# Altium PCB Test Gate.PcbDoc
Units mm, origin at the board's own origin, x right, y up, seen from the top; angles counter-clockwise.
Board outline 104.5 x 115 mm, 2 copper layers (Top Layer, Bottom Layer); 36 components, 46 nets, 161 pads, 10 vias.
Unrouted connection lines stored in the file: 5.
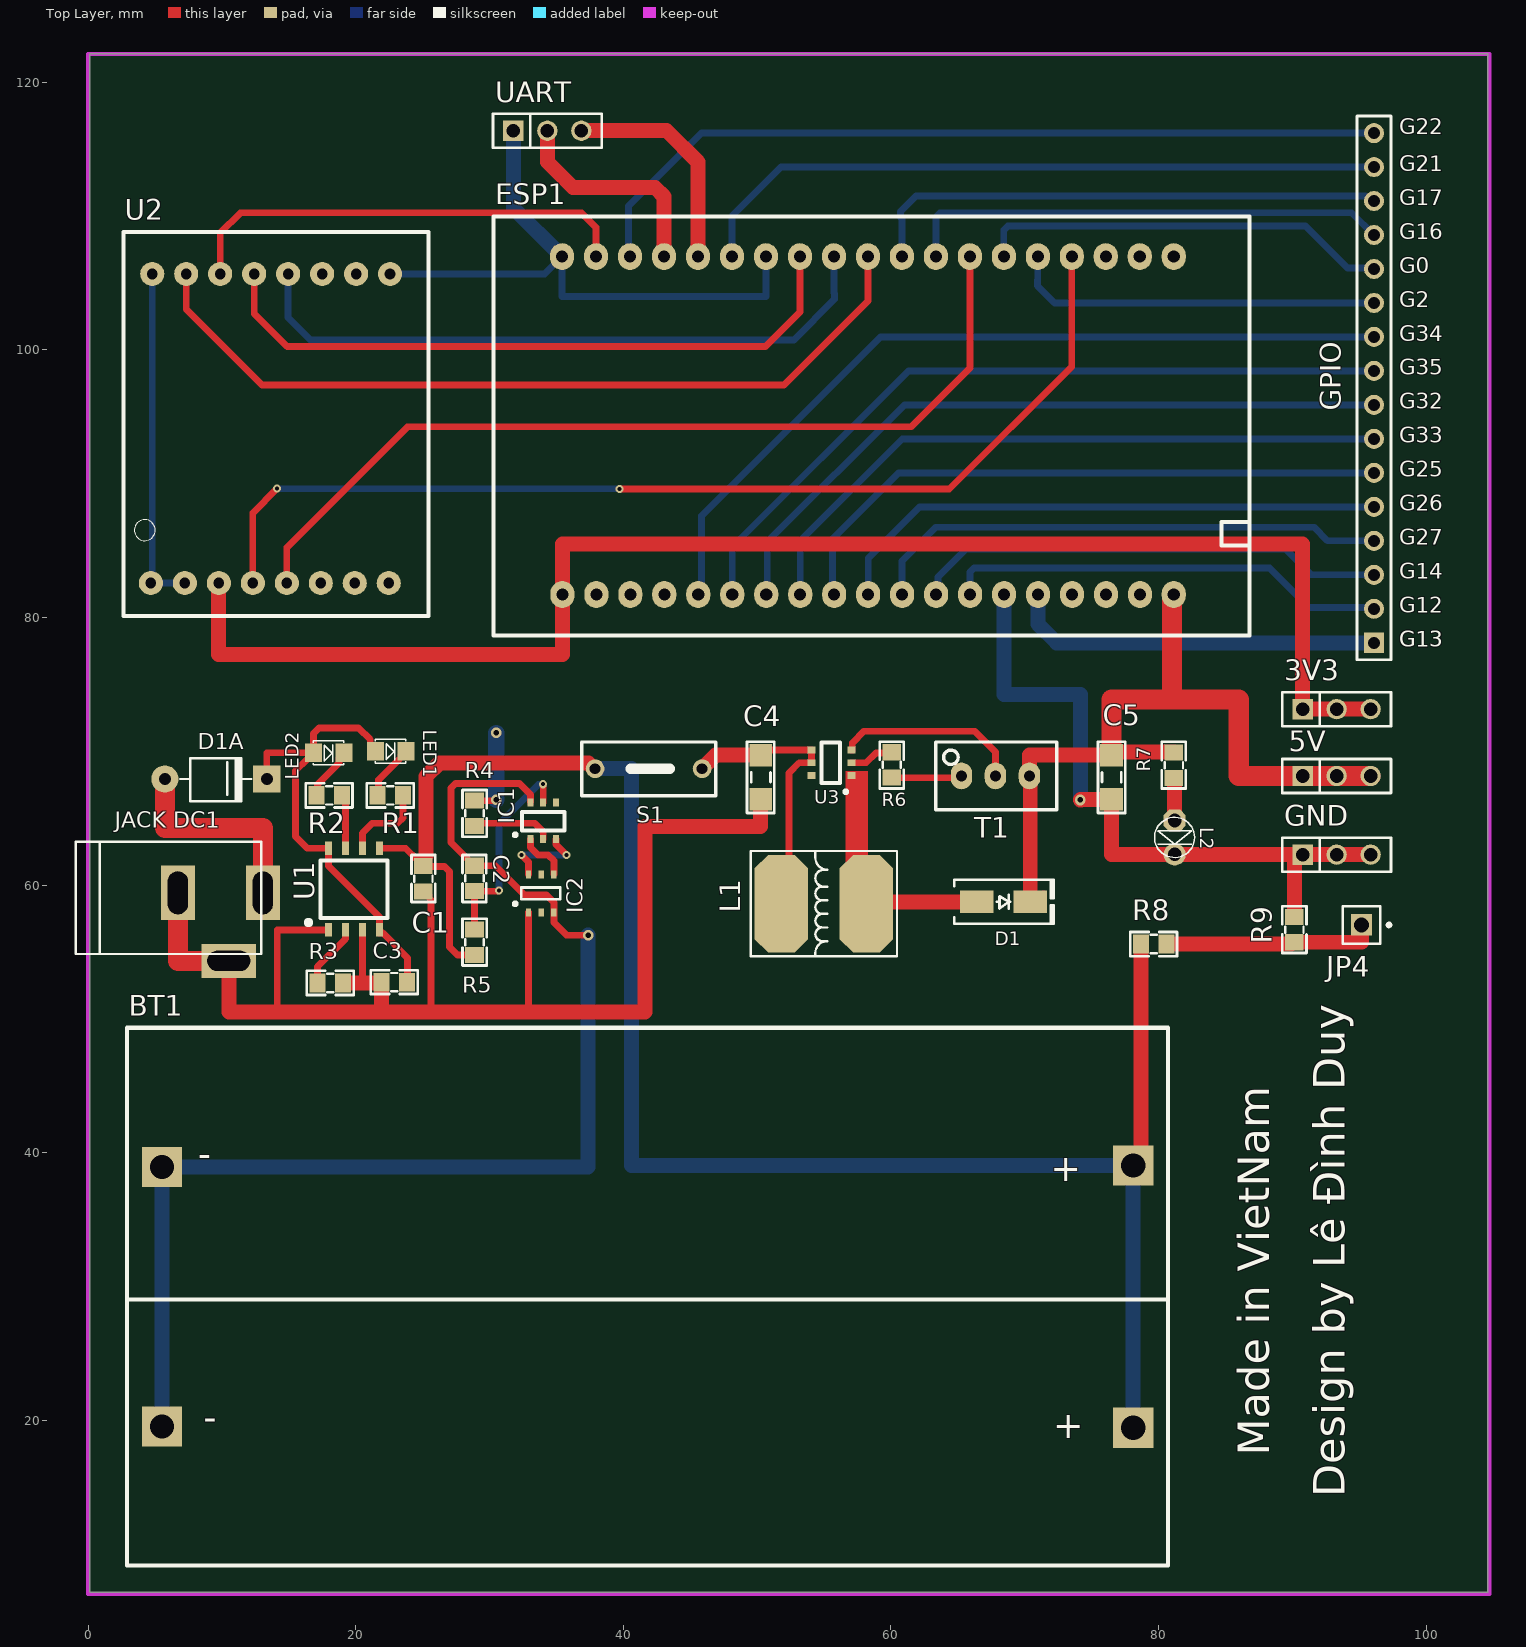
[diagram p0: Top Layer view]
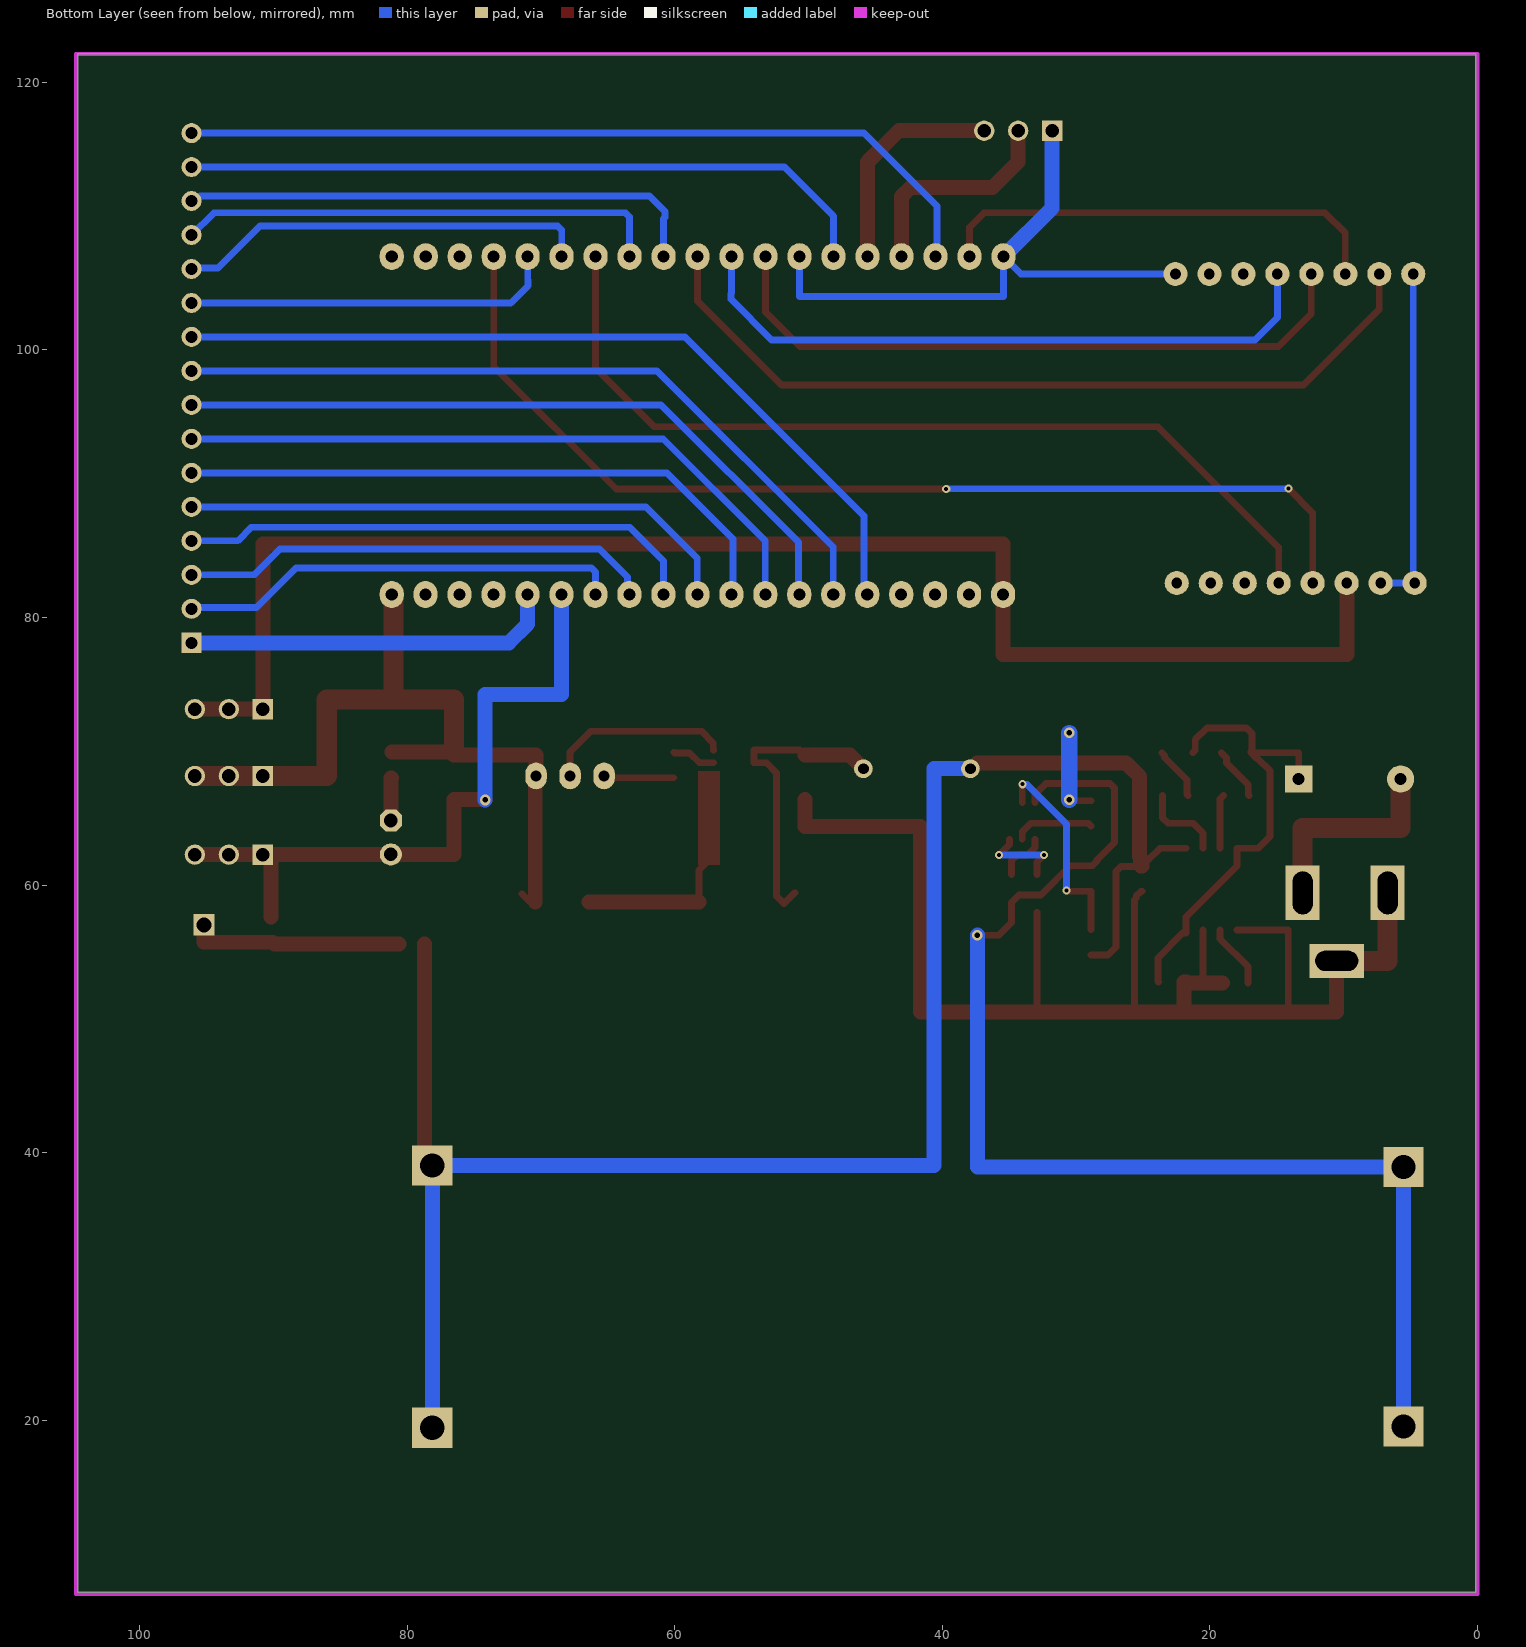
[diagram p1: Bottom Layer view, seen from below]

## Layer stack, top to bottom
Top Solder: solder mask 0.0102, Solder Resist, Dk 3.5
Top Layer: signal copper 0.0356
Dielectric 1: dielectric 0.32, FR-4, Dk 4.8
Bottom Layer: signal copper 0.0356
Bottom Solder: solder mask 0.0102, Solder Resist, Dk 3.5

## Board outline
0.125,7.125 104.625,7.125 104.625,122.125 0.125,122.125

## Design rules (kind name [scope] priority, off if disabled: settings)
Clearance [All] p1: gap=0.3 ignorepadtopadclearanceinfootprint=FALSE
PlaneClearance [All] p1: clearance=0.6
PlaneConnect [All] p1: planeconnectstyle=Direct reliefexpansion=0.508 reliefentries=4 reliefconductorwidth=0.254 reliefairgap=0.254
PolygonConnect [All] p1: connectstyle=Direct reliefconductorwidth=0.254 reliefentries=4 polygonreliefangle="90 Angle" airgapwidth=0.254
RoutingVias [All] p1: holewidth=0.3 width=0.6 viastyle="Through Hole" minholewidth=0.3 minwidth=0.6 maxholewidth=0.5 maxwidth=1
SolderMaskExpansion [All] p1: expansion=0.102 istentingtop=FALSE
Width [All] p1: maxlimit=1.5 minlimit=0.51 preferedwidth=1.12 minimp=50.000000 maximp=50.000000 favimp=50.000000
28 further rules are at their usual default settings.

## Components (designator, comment, footprint, x,y, rotation, side; value= is the part's Value field where it differs from the comment)
3V3 "JP 1x3 2.54" "JP 1x3 CT" 90.777,73.148 r0 top (schematic designator JP2)
5V "JP 1x3 2.54" "JP 1x3 CT" 90.777,68.154 r0 top (schematic designator JP1)
BT1 "Pin 18650 x2" "De Pin 18650 x2" 46.211,35.733 r180 top
C1 "10uF" "tu 0805" 25.054,60.487 r270 top
C2 "100nF" "tu 0805" 28.865,60.487 r90 top
C3 "100nF" "tu 0805" 22.868,52.744 r0 top
C4 "22uF" "tu 1206" 50.264,68.055 r270 top
C5 "22uF" "tu 1206" 76.492,68.055 r270 top
D1 "SS34" "DIODE SMA" 68.415,58.749 r0 top
D1A "1n4007" "DIODE 1A" 4.46,67.925 r180 top
ESP1 "Devkit" "ESP32 DEVKIT 38Pin" 60,94.375 r90 top
GND "JP 1x3 2.54" "JP 1x3 CT" 90.777,62.275 r0 top (schematic designator JP3)
GPIO "Header 16" HDR1X16 96.107,78.108 r90 top (schematic designator P1)
IC1 "DW01A" DW01A 34.008,64.801 r90 top
IC2 "FS8205" FS8205 33.858,59.372 r90 top
"JACK DC1" "JACK DC 5.5" "JACK DC 5.5" 9.875,56.875 r0 top value="Jac DC"
JP4 "JP 1x1 2.54" "JP 1x1 DT" 95.177,57.019 r270 top
L1 "22uH" "Cuon Cam 7x7x5" 51.181,58.607 r270 top
L2 "LED 3mm" LED-3MM-GREEN 81.205,64.827 r270 top
LED1 "LED SMD" SM-LED-0805-Red 21.464,70 r0 top
LED2 "LED SMD" SM-LED-0805-Red 16.832,69.882 r0 top
R1 "1K" "tro smd 0805" 22.571,66.763 r0 top
R2 "1K" "tro smd 0805" 18.005,66.763 r0 top
R3 "1.2K" "tro smd 0805" 18.09,52.744 r0 top
R4 "1K" "tro smd 0805" 28.814,65.352 r90 top
R5 "100R" "tro smd 0805" 28.941,55.731 r270 top
R6 "2.2K" "tro smd 0805" 60.002,68.972 r90 top
R7 "330R" "tro smd 0805" 81.205,68.972 r270 top
R8 "27K" "tro smd 0805" 79.64,55.646 r0 top
R9 "100K" "tro smd 0805" 90.095,56.669 r90 top
S1 "SWBIT 1P" "SWBIT 1P DIP" 37.886,68.694 r0 top
T1 "100K" "Bien Tro Vi Chinh Dung" 67.812,68.154 r0 top
U1 "TP4056" TP4056 19.868,59.699 r90 top
U2 "Module" "LoRa Ra 02 Module 2" 13.625,94.125 r90 top
U3 "MT3608" MT3608 58.028,70.541 r180 top
UART "JP 1x3 2.54" "JP 1x3 CT" 31.78,116.383 r0 top (schematic designator JP5)

## Footprints (in the part's own frame and the unit in brackets; to place one, negate y for a bottom-side part, rotate by r counter-clockwise, add the part's x,y. Pads: shape width x height; smd on the part's side, far side on the other; paste and mask are expansions set on the pad)
"Bien Tro Vi Chinh Dung" [mm] "Bien tro vi chinh"
  oval 1.6x2 hole 0.8: 1(-2.54,0) 2(0,0) 3(2.54,0)
  silkscreen extent -4.47,-2.54 4.6,2.54, body extent -4.54,-2.4 4.66,2.4, height 12.02
"Cuon Cam 7x7x5" [mm] "Cuon Cam 7x7x5"
  oct 7.3x4 smd: 1(0,0.635) 2(0,6.985)
  silkscreen extent -3.94,-1.65 3.94,9.27, body extent -3.5,0.07 3.5,7.8, height 5.02
"De Pin 18650 x2" [mm]
  rect 3x3 hole 1.8: 1(-31.9,-3.3) 1(-31.9,16.3) 2(40.7,-3.2) 2(40.7,16.2)
  silkscreen extent -34.5,-13.6 43.3,26.6, body extent -34.5,-13.6 43.3,26.6, height 21
"DIODE 1A" [mil] "Diode 1A"
  round 80 hole 35: 1(-50,0)
  rect 80x80 hole 35: 2(-350,0)
  silkscreen extent -305,-61 -95,65, body extent -366,-61 -34,65, height 122
"DIODE SMA" [mm] "SMA"
  rect 2.5x1.7 smd: 1(-2,0) 2(2,0)
  silkscreen extent -3.68,-1.65 3.75,1.65, body extent -2.6,-1.37 2.6,1.37, height 2.4
DW01A [mm]
  rect 0.6x0.45 smd: 1(-1.375,0.95) 2(-1.375,0) 3(-1.375,-0.95) 4(1.375,-0.95) 5(1.375,0) 6(1.375,0.95)
  silkscreen extent -1.15,-1.58 0.67,2.19, body extent -1.47,-1.52 1.53,1.52, height 1.4
"ESP32 DEVKIT 38Pin" [mm]
  oval 2x1.8 hole 0.9: 1(-12.66,24.56) 2(-12.66,22.02) 3(-12.66,19.48) 4(-12.66,16.94) 5(-12.66,14.4) 6(-12.66,11.86) 7(-12.66,9.32) 8(-12.66,6.78) 9(-12.66,4.24) 10(-12.66,1.7) 11(-12.66,-0.84) 12(-12.66,-3.38) 13(-12.66,-5.92) 14(-12.66,-8.46) 15(-12.66,-11) 16(-12.66,-13.54) 17(-12.66,-16.08) 18(-12.66,-18.62) 19(-12.66,-21.14) 20(12.6,-21.14) 21(12.6,-18.6) 22(12.6,-16.06) 23(12.6,-13.52) 24(12.6,-10.98) 25(12.6,-8.44) 26(12.6,-5.9) 27(12.6,-3.36) 28(12.6,-0.82) 29(12.6,1.72) 30(12.6,4.26) 31(12.6,6.8) 32(12.6,9.34) 33(12.6,11.88) 34(12.6,14.42) 35(12.6,16.96) 36(12.6,19.5) 37(12.6,22.04) 38(12.6,24.58)
  silkscreen extent -15.72,-26.79 15.6,29.69, body extent -14.05,-26.39 13.89,29.19, height 9.6
FS8205 [mm]
  rect 0.6x0.4 smd: 1(-1.41,0.95) 2(-1.41,0) 3(-1.41,-0.95) 4(1.41,-0.95) 5(1.41,0) 6(1.41,0.95)
  silkscreen extent -0.88,-1.42 0.45,2.04, body extent -1.48,-1.5 1.52,1.5, height 1.3
HDR1X16 [mm] "Connector; Header; 16 Position"
  rect 1.5x1.5 hole 0.9: 1(0,0)
  round 1.5 hole 0.9: 2(2.54,0) 3(5.08,0) 4(7.62,0) 5(10.16,0) 6(12.7,0) 7(15.24,0) 8(17.78,0) 9(20.32,0) 10(22.86,0) 11(25.4,0) 12(27.94,0) 13(30.48,0) 14(33.02,0) 15(35.56,0) 16(38.1,0)
  silkscreen extent -1.27,-1.27 39.37,1.27, body extent -1.41,-1.26 39.48,1.24, height 7.92
"JACK DC 5.5" [mm] "Jac DC input"
  rect 2.54x4.064 hole 1.5 slot 3.2 at 90 deg: 1(3.175,2.54) 2(-3.175,2.54)
  rect 4.064x2.54 hole 1.5 slot 3.2 at 0 deg: 3(0.635,-2.54)
  silkscreen extent -10.79,-2.03 3.05,6.35, body extent -10.42,-2.67 3.4,6.84, height 11.02
"JP 1x1 DT" [mm] "1pins, 1 row, straight, gold plating"
  rect 1.6x1.6 hole 1.1: 1(0,0)
  silkscreen extent -1.4,-1.4 1.4,2.18, body extent -1.27,-1.27 1.27,1.27, height 8.54
"JP 1x3 CT" [mm]
  rect 1.52x1.52 hole 1.02: 1(0,0)
  round 1.52 hole 1.02: 2(2.54,0) 3(5.08,0)
  silkscreen extent -1.52,-1.27 6.6,1.27, body extent -1.52,-1.25 6.6,1.25, height 8.51
LED-3MM-GREEN [mil]
  oct 65x65 hole 40: 1(0,0)
  round 65 hole 40: 2(100,0)
  silkscreen extent -9,-59 109,59, body extent -15,-70 112,60, height 182
"LoRa Ra 02 Module 2" [mm]
  round 1.8 hole 0.8: 1(-11.55,8.94) 2(-11.55,6.4) 3(-11.55,3.86) 4(-11.55,1.32) 5(-11.55,-1.22) 6(-11.55,-3.76) 7(-11.55,-6.3) 8(-11.55,-8.84) 9(11.55,-8.94) 10(11.55,-6.4) 11(11.55,-3.86) 12(11.55,-1.32) 13(11.55,1.22) 14(11.55,3.76) 15(11.55,6.3) 16(11.55,8.84)
  silkscreen extent -14,-11.8 14.7,11, body extent -12.82,-10.22 12.79,10.1, height 7.4
MT3608 [mm]
  rect 0.6x0.5 smd: 1(0.96,2.35) 2(0.96,1.4) 3(0.96,0.45) 4(3.96,0.45) 5(3.96,1.4) 6(3.96,2.35)
  silkscreen extent 1.31,-0.13 3.21,3.67, body extent 0.89,-0.09 3.89,2.91, height 1.3
SM-LED-0805-Red [mil]
  rect 50x55 smd: 1(0,0) 2(90,0)
  silkscreen extent 0,-35 90,35, body extent 5,-25 85,25, height 43
"SWBIT 1P DIP" [mm]
  round 1.4 hole 0.8: 1(0,0) 2(8,0)
  silkscreen extent -0.99,-2.01 9.02,2, body extent -0.98,-2 9.02,2, height 8.86
TP4056 [mm]
  rect 1x0.5 smd: 1(-3.05,1.905) 2(-3.05,0.635) 3(-3.05,-0.635) 4(-3.05,-1.905) 5(3.05,-1.905) 6(3.05,-0.635) 7(3.05,0.635) 8(3.05,1.905)
  silkscreen extent -2.6,-2.49 2.15,3.5, body extent -3,-2.47 3,2.43, height 1.75
"tro smd 0805" [mm]
  rect 1.2x1.4 smd: 1(-0.946,-0.061) 2(0.954,-0.061)
  silkscreen extent -1.75,-0.97 1.75,0.84, body extent -1.56,-0.76 1.44,0.64, height 0.53
"tu 0805" [mm] "Compoment SMD 80x50mil"
  rect 1.2x1.4 smd: 1(-0.946,-0.003) 2(0.954,-0.003)
  silkscreen extent -1.75,-0.89 1.75,0.89, body extent -1.01,-0.64 1.01,0.63, height 0.61
"tu 1206" [mm]
  rect 1.7x1.7 smd: 1(-1.65,0) 2(1.65,0)
  silkscreen extent -2.67,-1.02 2.67,1.02, body extent -1.57,-0.8 1.63,0.8, height 0.94

## Part data
3V3 5V GND UART: library part "JP 1x3 2.54 Cai Thang", "Cắm", Chung_Loai=Cắm, Don_Vi=Con, Ma_Hang=MH004006, Ten_Linh_Kien="Jump Đơn Cái 2.54MM 1x20P Thẳng"
BT1: library part "De Pin 18650 x2"
C1 C2 C3: library part "Tu 0805 104 50V 10%", "Dán", Chung_Loai=Dán, Don_Vi=Con, Ma_Hang=MH004551, So_Chan=2, Ten_Linh_Kien="Tụ 0805 104-100nF 10% 50V"
C4 C5: library part "Tu 1206 226 16V 20%", "Dán", Chung_Loai=Dán, Don_Vi=Con, Ma_Hang=MH004546, So_Chan=2, Ten_Linh_Kien="Tụ 1206 226-22uF 20% 16V"
D1: library part "Diode SS34 ( 1N5822 )", "Dán", Chung_Loai=Dán, Don_Vi=Con, Ma_Hang=MH002104, Ten_Linh_Kien="Diode SS34 3A 40V SMA ( 1N5822 SS34A)"
D1A: library part "Diode 1N4007", "Cắm", Chung_Loai=Cắm, Don_Vi=Con, Ma_Hang=MH001063, Ten_Linh_Kien="Diode 1N4007 1A (DIP)"
ESP1: library part "ESP32 DEV KIT", "Board"
GPIO: "Header, 16-Pin", LatestRevisionDate=17-Jul-2002, LatestRevisionNote="Re-released for DXP Platform.", Publisher="Altium Limited"
IC2: "SOT23-6"
JP4: library part "JP 1x1 2.54 Duc Thang", "Cắm", Chung_Loai=Cắm, Don_Vi=Con, Ma_Hang=MH000903, Ten_Linh_Kien="Jump Đơn Đực 2.54MM 1x40P Thẳng 11MM"
L1: library part "CUON CAM 47uH SMD", "Dán", Chung_Loai=Dán, Don_Vi=Con, Ma_Hang=MH004211, Ten_Linh_Kien="Cuộn Cảm 47uH 7x7x4MM CD74R"
L2: library part "LED 3mm Xanh La", "Cắm", Chung_Loai=Cắm, Don_Vi=Con, Ma_Hang=MH001054, Ten_Linh_Kien="Led 3MM Phủ Xanh (10c)"
LED1 LED2: library part "LED SMD 0805"
R1 R2 R3 R4 R5 R6 R7 R8 R9: library part "Tro 0805 5% 1k", "Dán", Chung_Loai=Dán, Don_Vi=Con, Ma_Hang=MH005234, So_Chan=2, Ten_Linh_Kien="Trở 0805 5% 1k"
T1: library part "Bien Tro Tinh Chinh 10K Dung", "Cắm", Chung_Loai=Cắm, Don_Vi=Con, Ma_Hang=MH003232, Ten_Linh_Kien="Biến Trở VR 103-10K 3296W"
U2: library part "LoRa Ra 02 Module 2"
U3: "SMD"

## Via types
v1: diameter 0.6, hole 0.3, Top Layer to Bottom Layer, 6 vias
v2: diameter 0.8, hole 0.4, Top Layer to Bottom Layer, 4 vias

## Nets (pads, with @x,y where several pads share a name; then routed paths per layer and width w, separated by ;. In a path a pad name is that pad's centre, name@x,y a point inside that pad or via, vN(x,y) a via of type N, cw(c..) or ccw(c..) an arc to the next point about the centre after c; other vN are vias at no path point)
3V3: 3V3.1 3V3.2 3V3.3 ESP1.1 U2.3 | length 112
  Top Layer w1.12: U2.3 9.75,82.575 9.75,77.25 35.44,77.25 ESP1.1 35.44,85.5 90.777,85.5 3V3.1 3V3.2 3V3.3
5V+: 5V.1 5V.2 5V.3 C5.1 D1.2 ESP1.19 R7.1 T1.3 | length 65
  Top Layer w0.51: D1.2 70.815,58.749 D1.2@71.41,59.344 ; C5.1 80.931,69.705 R7.1 R7.1@81.125,69.936
  Top Layer w1.12: D1.2 70.415,68.154 T1.3 70.352,69.705 C5.1 76.492,69.936 R7.1@81.125,69.936
  Top Layer w1.5: C5.1@76.492,69.936 76.492,73.875 81,73.875 ; ESP1.19 81,81.715 81,73.875 ; 5V.3 5V.2 5V.1 86,68.154 86,73.875 81,73.875
B+: BT1.1 C1.1 R5.2 R8.1 S1.1 U1.5 | length 139.9
  Top Layer w0.51: U1.5 23.734,62.749 C1.1@24.606,61.878 ; C1.1 25.108,61.375 26.625,61.375 27,61 27,55.375 27.599,54.776 R5.2
  Top Layer w1.12: C1.1@25.051,61.878 C1.1 25.151,61.433 25.191,61.473 25.191,62.069 25.25,62.129 25.25,68.125 26.25,69.125 37.38,69.125 37.811,68.694 S1.1 ; BT1.1@78.111,39.033 78.694,39.616 R8.1
  Bottom Layer w1.12: S1.1 40.625,68.694 40.625,39.033 78.111,39.033 BT1.1@78.111,19.433
B-: BT1.2 C2.2 IC1.6 IC2.3 | length 93.7
  Top Layer w0.51: C2.2@28.867,61.443 28.767,61.443 28.424,61.786 28.424,61.886 27.125,63.185 27.125,67.25 27.454,67.579 32.247,67.579 33.058,66.768 IC1.6 ; C2.2 30.434,61.441 32.625,59.25 34.25,59.25 34.808,58.692 IC2.3 34.808,57.192 35.75,56.25 v2(37.375,56.25)
  Bottom Layer w1.12: BT1.2@5.511,19.533 5.511,38.933 37.375,38.933 v2(37.375,56.25)
G0: ESP1.25 GPIO.12 | length 31.1
  Bottom Layer w0.51: ESP1.25 68.44,108.951 68.739,109.25 91,109.25 94.125,106.125 96.03,106.125 GPIO.12
G2: ESP1.24 GPIO.11 | length 27.9
  Bottom Layer w0.51: ESP1.24 70.98,105.23 70.961,105.211 70.961,104.789 72.242,103.508 GPIO.11
G12: ESP1.13 GPIO.2 | length 33.2
  Bottom Layer w0.51: ESP1.13 65.92,83.391 66.219,83.69 88.31,83.69 91.25,80.75 96.005,80.75 GPIO.2
G13: ESP1.15 GPIO.1 | length 27.9
  Bottom Layer w1.12: ESP1.15 71,79.5 72.392,78.108 GPIO.1
G14: ESP1.12 GPIO.3 | length 35.6
  Bottom Layer w0.51: ESP1.12 63.515,81.85 63.515,83.015 65.625,85.125 89.5,85.125 91.437,83.188 GPIO.3
G16: ESP1.27 GPIO.13 | length 36.5
  Bottom Layer w0.51: ESP1.27 63.36,109.951 63.659,110.25 94.445,110.25 GPIO.13
G17: ESP1.28 GPIO.14 | length 39.4
  Bottom Layer w0.51: ESP1.28 60.82,109.805 60.711,109.914 60.711,110.336 61.875,111.5 95.467,111.5 95.839,111.128 GPIO.14
G21: ESP1.33 GPIO.15 | length 52.5
  Bottom Layer w0.51: ESP1.33 48.12,109.995 51.793,113.668 GPIO.15
G22: ESP1.36 GPIO.16 | length 61.8
  Bottom Layer w0.51: ESP1.36 40.375,107.1 40.375,110.75 45.833,116.208 GPIO.16
G25: ESP1.9 GPIO.6 | length 46.7
  Bottom Layer w0.51: ESP1.9 55.625,81.85 55.625,85.875 60.558,90.808 GPIO.6
G26: ESP1.10 GPIO.5 | length 42.1
  Bottom Layer w0.51: ESP1.10 58.3,84.425 62.143,88.268 GPIO.5
G27: ESP1.11 GPIO.4 | length 39.2
  Bottom Layer w0.51: ESP1.11 60.84,84.215 63.375,86.75 91.625,86.75 92.647,85.728 GPIO.4
G32: ESP1.7 GPIO.8 | length 53.5
  Bottom Layer w0.51: ESP1.7 50.75,81.785 50.75,85.625 61.013,95.888 GPIO.8
G33: ESP1.8 GPIO.7 | length 50.1
  Bottom Layer w0.51: ESP1.8 53.22,85.72 60.848,93.348 GPIO.7
G34: ESP1.5 GPIO.10 | length 61.8
  Bottom Layer w0.51: ESP1.5 45.847,81.962 45.847,87.597 59.218,100.968 GPIO.10
G35: ESP1.6 GPIO.9 | length 56.9
  Bottom Layer w0.51: ESP1.6@48.14,81.765 48.14,85.265 61.303,98.428 GPIO.9
GND: "JACK DC1.2" "JACK DC1.3" C1.2 C3.1 C4.2 C5.2 ESP1.14 ESP1.32 ESP1.38 GND.1 GND.2 GND.3 IC2.1 L2.2 R3.2 R4.2 R6.2 R9.2 U1.1 U1.3 U2.1 U2.2 U2.9 U2.16 U3.2 UART.1 | length 237
  Top Layer w0.51: 14.125,50.5 14.125,56.649 U1.1 ; 20.375,52.684 20.503,52.684 U1.3 ; 25,50.5 25.051,50.5 ; C1.2 25.151,59.533 25.496,59.188 25.496,59.018 25.625,58.889 25.625,50.5 ; R4.2 30.407,66.307 30.476,66.375 v2(30.5,66.375) ; 32.908,50.5 IC2.1 ; U3.2 58.141,69.141 58.875,69.875 60.012,69.875 R6.2
  Top Layer w1.12: 10.51,54.335 10.51,50.5 14.125,50.5 21.922,50.5 ; R3.2 20.375,52.684 ; 20.503,52.684 21.75,52.684 21.75,52.741 C3.1 21.922,50.5 ; 25,50.5 21.922,50.5 ; 25.051,50.5 25.625,50.5 32.908,50.5 41.625,50.5 41.625,64.375 50.264,64.375 C4.2 ; v2(74.153,66.364) 74.153,66.405 C5.2 76.492,62.287 L2.2 81.205,62.275 GND.1@90.156,62.275 ; R9.2 GND.1@90.156,62.275 ; GND.3 GND.2 GND.1 GND.1@90.156,62.275
  Top Layer w1.5: 6.7,59.415 6.7,54.335 10.51,54.335
  Bottom Layer w0.51: U2.16 4.785,82.675 U2.1 U2.2 ; U2.9 34.12,105.675 ESP1.38 35.42,104 50.66,104 ESP1.32
  Bottom Layer w1.12: UART.1 31.78,110.615 ESP1.38 ; ESP1.14 68.46,74.25 74.153,74.25 v2(74.153,66.364)
  Bottom Layer w1.2: v2(30.5,66.375) v2(30.5,71.375)
IO0: ESP1.26 U2.5 | length 67.6
  Top Layer w0.51: U2.5 14.845,85.22 23.875,94.25 61.5,94.25 65.9,98.65 ESP1.26
MISO: ESP1.31 U2.13 | length 50
  Top Layer w0.51: U2.13 12.405,102.72 14.875,100.25 50.625,100.25 53.2,102.825 ESP1.31
MOSI: ESP1.37 U2.14 | length 34.4
  Top Layer w0.51: U2.14 9.865,108.74 11.375,110.25 36.875,110.25 37.96,109.165 ESP1.37
NetC2_1: C2.1 IC1.5 R5.1 | length 15.6
  Top Layer w0.51: R5.1 28.869,56.688 C2.1 30.644,59.541 v1(30.695,59.593) ; IC1.5 v1(34.008,67.534)
  Bottom Layer w0.51: v1(30.695,59.593) 30.695,64.57 33.642,67.517 33.991,67.517 v1(34.008,67.534)
NetC3_2: C3.2 D1A.2 LED1.1 LED2.1 U1.4 U1.8 | length 35.3
  Top Layer w0.51: D1A.2 13.35,69.882 LED2.1 ; LED1.1@21.273,69.882 21.084,70.071 21.084,70.861 20.195,71.75 17.25,71.75 16.832,71.332 LED2.1 ; C3.2 23.875,52.794 23.875,54.546 22.018,56.404 21.778,56.404 21.773,56.409 U1.4 21.773,57.602 17.963,61.412 U1.8 16.376,62.749 15.5,63.625 15.5,68.549 16.389,69.438 16.452,69.438 16.921,69.907 16.921,69.971 LED2.1
NetC4_1: C4.1 L1.1 S1.2 U3.4 U3.5 | length 22.9
  Top Layer w0.51: C4.1 50.651,70.091 U3.4 U3.5 53.141,69.141 52.375,68.375 52.375,59.166 L1.1 L1.1@50.994,59.428
  Top Layer w1.12: S1.2 46.896,69.705 C4.1
NetD1_1: D1.1 L1.2 U3.1 | length 18.3
  Top Layer w0.51: U3.1 57.068,62.205 58.166,61.107 58.166,58.749 L1.2
  Top Layer w1.12: L1.2@58.166,58.749 D1.1
NetD1A_1: "JACK DC1.1" D1A.1 | length 15.8
  Top Layer w1.5: D1A.1 5.73,64.25 13.05,64.25 13.05,59.415
NetIC1_2: IC1.2 R4.1 | length 6.1
  Top Layer w0.51: R4.1 29.093,64.625 33.375,64.625 34.008,63.992 IC1.2
NetJP4_1: JP4.1 R8.2 R9.1 | length 15.9
  Top Layer w1.12: R8.2 89.918,55.585 90.056,55.723 R9.1 95.177,55.723 JP4.1
NetL2_1: L2.1 R7.2 | length 3.3
  Top Layer w0.51: R7.2 R7.2@81.205,67.956
  Top Layer w1.12: R7.2 81.205,68.017 L2.1
NetLED1_2: LED1.2 R1.1 | length 4
  Top Layer w0.51: R1.1 21.696,66.773 21.696,67.869 23.37,69.543 23.37,69.693 LED1.2@23.559,69.882
NetLED2_2: LED2.2 R2.1 | length 4
  Top Layer w0.51: R2.1 17.125,66.768 17.125,67.5 18.738,69.113 18.738,69.502 LED2.2
NetR1_2: R1.2 U1.6 | length 6.3
  Top Layer w0.51: U1.6 20.503,63.878 21.25,64.625 23.125,64.625 23.526,65.026 R1.2
NetR2_2: R2.2 U1.7 | length 4.1
  Top Layer w0.51: R2.2 19.233,66.429 U1.7
NetR3_1: R3.1 U1.2 | length 4.8
  Top Layer w0.51: R3.1 17.145,53.895 19.233,55.983 U1.2
NetR6_1: R6.1 T1.1 | length 5.3
  Top Layer w0.51: R6.1 65.144,68.026 T1.1
NetT1_2: T1.2 U3.3 | length 14.1
  Top Layer w0.51: U3.3 57.073,70.096 57.113,70.096 57.113,70.613 58,71.5 66.25,71.5 67.812,69.938 T1.2
NSS: ESP1.29 U2.15 | length 61.9
  Top Layer w0.51: U2.15 7.325,103.05 13,97.375 52,97.375 58.28,103.655 ESP1.29
OC: IC1.3 IC2.6 | length 6.6
  Top Layer w0.51: v1(32.375,62.25) 32.908,61.717 IC2.6 ; IC1.3 34.958,63.042 v1(35.75,62.25)
  Bottom Layer w0.51: v1(32.375,62.25) v1(35.75,62.25)
OD: IC1.1 IC2.4 | length 3.8
  Top Layer w0.51: IC1.1 33.058,62.817 33.625,62.25 34.375,62.25 34.808,61.817 IC2.4
RST: ESP1.23 U2.4 | length 79.2
  Top Layer w0.51: U2.4 12.305,87.805 v1(14.125,89.625) ; v1(39.695,89.611) 64.361,89.611 73.52,98.77 ESP1.23
  Bottom Layer w0.51: v1(14.125,89.625) 39.681,89.625 v1(39.695,89.611)
RXD: ESP1.34 UART.3 | length 16.8
  Top Layer w1.12: UART.3 43.242,116.383 45.58,114.045 ESP1.34
SCK: ESP1.30 U2.12 | length 49.2
  Bottom Layer w0.51: U2.12 14.945,102.43 16.625,100.75 52.75,100.75 55.789,103.789 55.789,104.211 55.74,104.26 ESP1.30
TXD: ESP1.35 UART.2 | length 16.6
  Top Layer w1.12: UART.2 34.32,114.055 36.25,112.125 42.384,112.125 43.04,111.469 ESP1.35
pads on no net: ESP1.2 ESP1.3 ESP1.4 ESP1.16 ESP1.17 ESP1.18 ESP1.20 ESP1.21 ESP1.22 IC1.4 IC2.2 IC2.5 U2.6 U2.7 U2.8 U2.10 U2.11 U3.6

## Keep-outs
Keep-Out Layer:
  lines w0.3: 0,7 0,122.125 104.75,122.125 104.75,7 0,7

## Other copper
Top Layer:
  region net NetD1_1: 58.25,61.5 56.625,61.5 56.625,68.5 58.25,68.5 58.25,68.375 58.25,68.5 58.25,68.375

## Silkscreen, mask and mechanical layers (free items; w line width, h text height)
Top Overlay:
  text "G22" at 98,115.704 h2
  text "G21" at 98,112.954 h2
  text "G17" at 98,110.414 h2
  text "G16" at 98,107.874 h2
  text "G0" at 98,105.334 h2
  text "G2" at 98,102.794 h2
  text "G34" at 98,100.254 h2
  text "G35" at 98,97.714 h2
  text "G32" at 98,95.174 h2
  text "G33" at 98,92.634 h2
  text "G25" at 98,90.094 h2
  text "G26" at 98,87.554 h2
  text "G27" at 98,85.014 h2
  text "G14" at 98,82.474 h2
  text "G12" at 98,79.934 h2
  text "G13" at 98,77.394 h2
  text "G13" at 98,77.394 h2
  text "Made in VietNam" at 89.076,17.334 h4 r90
  text "Design by Lê Đình Duy" at 94.725,14.231 h4 r90

## Text inside footprints (layer, text, board x,y; h text height)
BT1: Top Overlay "-" at 9.611,20.733 h2 r180; Top Overlay "-" at 9.211,40.433 h2 r180; Top Overlay "+" at 74.211,39.566 h2 r180; Top Overlay "+" at 74.411,20.366 h2 r180